# KiCad board FlexKeys.kicad_pcb
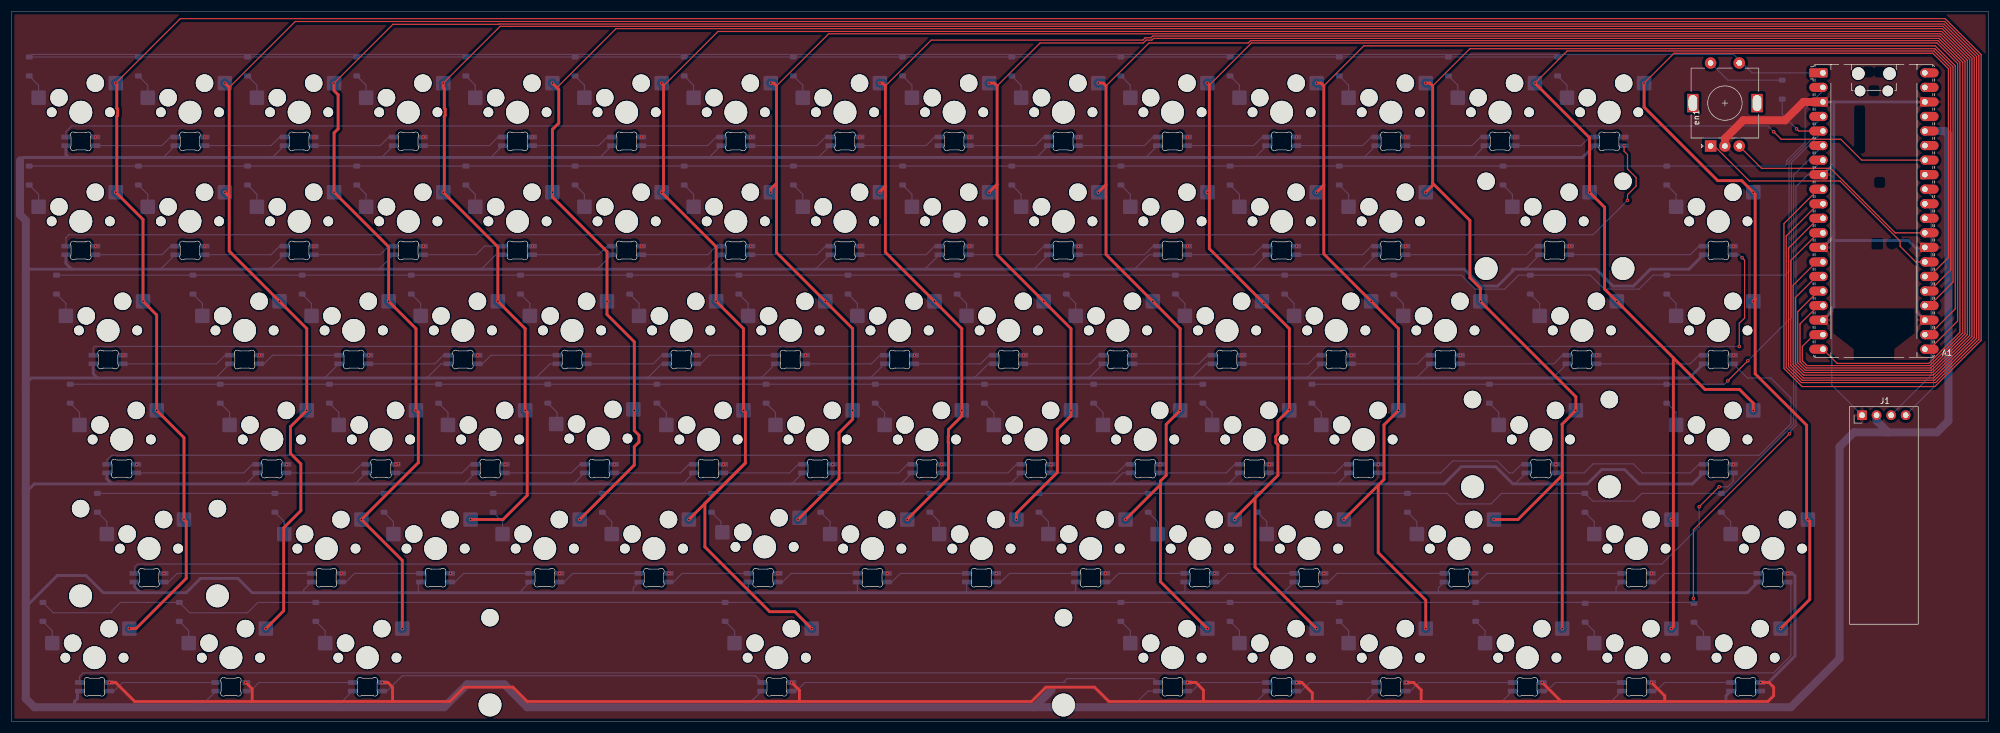
[diagram p0: board, top side]
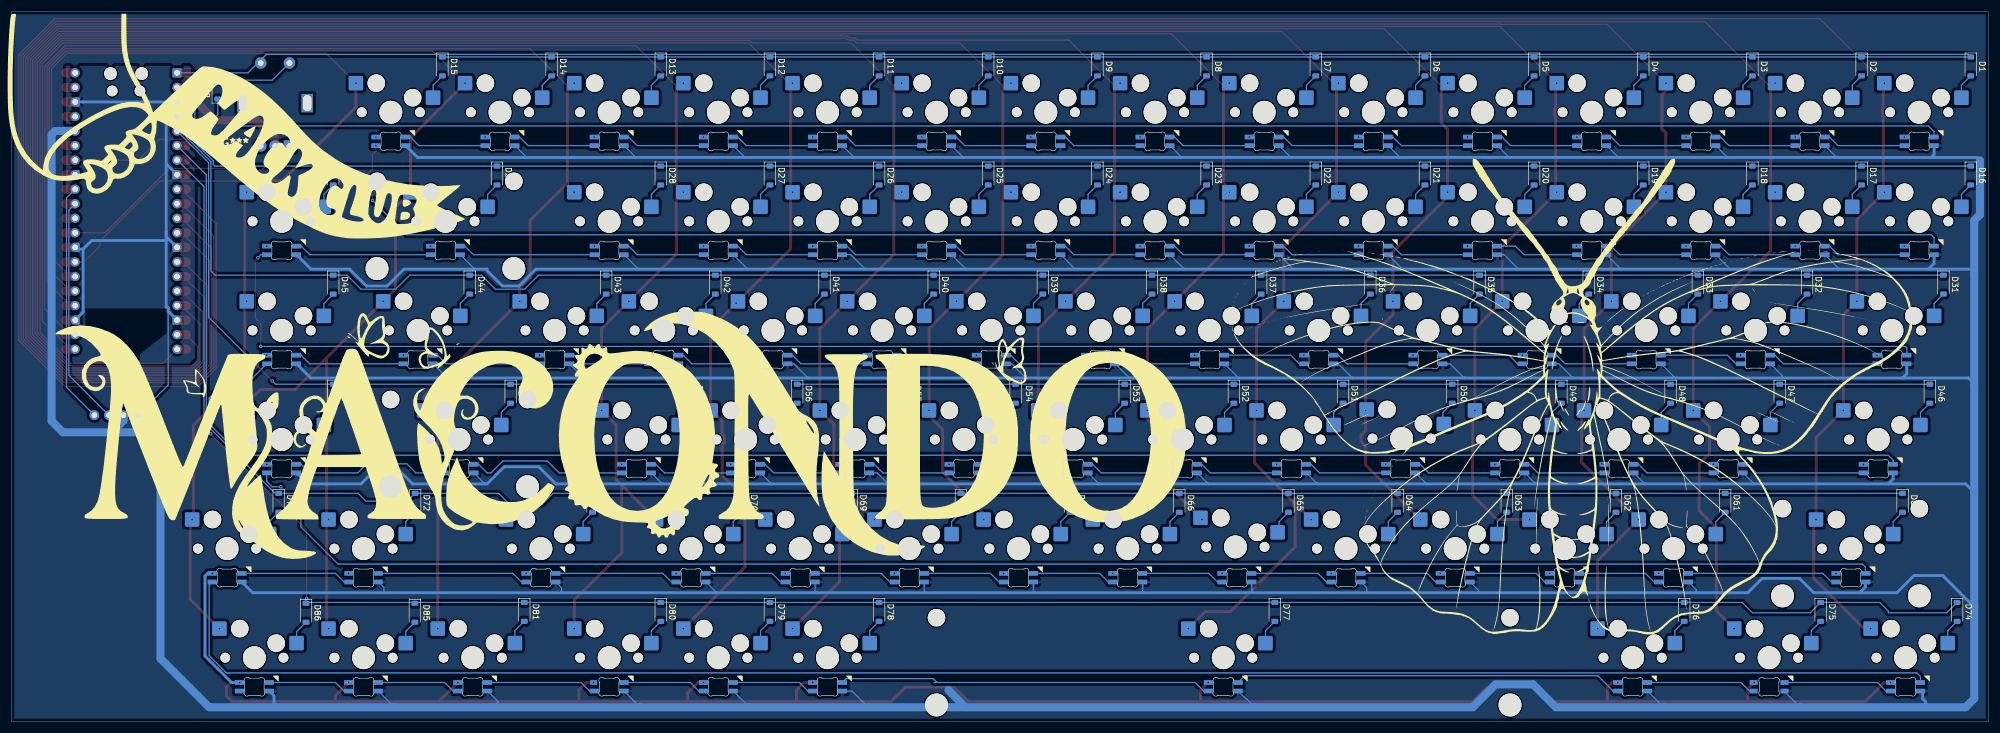
[diagram p1: board, bottom side, seen from below]

Outline 345 x 124 mm; copper layers: Top, Bottom. Coordinates in mm from the lower left corner of the outline.
Outline path: rectangle 0,124 345,0

## Placement (name value [footprint] x y rotation side)
A1  RaspberryPi_Pico  [RaspberryPi_Pico_Common_Unspecified]  325 89.15 0 top
D1  1N4148  [D_SOD-123]  3.1 114.4 270 bottom
D2  1N4148  [D_SOD-123]  22.15 114.4 270 bottom
D3  1N4148  [D_SOD-123]  41.2 114.4 270 bottom
D4  1N4148  [D_SOD-123]  60.25 114.4 270 bottom
D5  1N4148  [D_SOD-123]  79.3 114.4 270 bottom
D6  1N4148  [D_SOD-123]  98.35 114.4 270 bottom
D7  1N4148  [D_SOD-123]  117.4 114.4 270 bottom
D8  1N4148  [D_SOD-123]  136.45 114.4 270 bottom
D9  1N4148  [D_SOD-123]  155.5 114.4 270 bottom
D10  1N4148  [D_SOD-123]  174.55 114.4 270 bottom
D11  1N4148  [D_SOD-123]  193.6 114.4 270 bottom
D12  1N4148  [D_SOD-123]  212.65 114.4 270 bottom
D13  1N4148  [D_SOD-123]  231.7 114.4 270 bottom
D14  1N4148  [D_SOD-123]  250.75 114.4 270 bottom
D15  1N4148  [D_SOD-123]  269.8 114.4 270 bottom
D16  1N4148  [D_SOD-123]  3.1 95.35 270 bottom
D17  1N4148  [D_SOD-123]  22.15 95.35 270 bottom
D18  1N4148  [D_SOD-123]  41.2 95.35 270 bottom
D19  1N4148  [D_SOD-123]  60.25 95.35 270 bottom
D20  1N4148  [D_SOD-123]  79.3 95.35 270 bottom
D21  1N4148  [D_SOD-123]  98.35 95.35 270 bottom
D22  1N4148  [D_SOD-123]  117.4 95.35 270 bottom
D23  1N4148  [D_SOD-123]  136.45 95.35 270 bottom
D24  1N4148  [D_SOD-123]  155.5 95.35 270 bottom
D25  1N4148  [D_SOD-123]  174.55 95.35 270 bottom
D26  1N4148  [D_SOD-123]  193.6 95.35 270 bottom
D27  1N4148  [D_SOD-123]  212.65 95.35 270 bottom
D28  1N4148  [D_SOD-123]  231.7 95.35 270 bottom
D29  1N4148  [D_SOD-123]  260.28 95.35 270 bottom
D30  1N4148  [D_SOD-123]  288.85 95.35 270 bottom
D31  1N4148  [D_SOD-123]  7.86 76.3 270 bottom
D32  1N4148  [D_SOD-123]  31.68 76.3 270 bottom
D33  1N4148  [D_SOD-123]  50.73 76.3 270 bottom
D34  1N4148  [D_SOD-123]  69.78 76.3 270 bottom
D35  1N4148  [D_SOD-123]  88.83 76.3 270 bottom
D36  1N4148  [D_SOD-123]  107.88 76.3 270 bottom
D37  1N4148  [D_SOD-123]  126.93 76.3 270 bottom
D38  1N4148  [D_SOD-123]  145.98 76.3 270 bottom
D39  1N4148  [D_SOD-123]  165.03 76.3 270 bottom
D40  1N4148  [D_SOD-123]  184.08 76.3 270 bottom
D41  1N4148  [D_SOD-123]  203.13 76.3 270 bottom
D42  1N4148  [D_SOD-123]  222.18 76.3 270 bottom
D43  1N4148  [D_SOD-123]  241.23 76.3 270 bottom
D44  1N4148  [D_SOD-123]  265.04 76.3 270 bottom
D45  1N4148  [D_SOD-123]  288.85 76.3 270 bottom
D46  1N4148  [D_SOD-123]  10.24 57.25 270 bottom
D47  1N4148  [D_SOD-123]  36.44 57.25 270 bottom
D48  1N4148  [D_SOD-123]  55.49 57.25 270 bottom
D49  1N4148  [D_SOD-123]  74.54 57.25 270 bottom
D50  1N4148  [D_SOD-123]  93.59 57.25 270 bottom
D51  1N4148  [D_SOD-123]  112.64 57.25 270 bottom
D52  1N4148  [D_SOD-123]  131.69 57.25 270 bottom
D53  1N4148  [D_SOD-123]  150.74 57.25 270 bottom
D54  1N4148  [D_SOD-123]  169.79 57.25 270 bottom
D55  1N4148  [D_SOD-123]  188.84 57.25 270 bottom
D56  1N4148  [D_SOD-123]  207.89 57.25 270 bottom
D57  1N4148  [D_SOD-123]  226.94 57.25 270 bottom
D58  1N4148  [D_SOD-123]  257.89 57.25 270 bottom
D59  1N4148  [D_SOD-123]  288.85 57.25 270 bottom
D60  1N4148  [D_SOD-123]  15.01 38.2 270 bottom
D61  1N4148  [D_SOD-123]  45.96 38.2 270 bottom
D62  1N4148  [D_SOD-123]  65.01 38.2 270 bottom
D63  1N4148  [D_SOD-123]  84.06 38.2 270 bottom
D64  1N4148  [D_SOD-123]  103.11 38.2 270 bottom
D65  1N4148  [D_SOD-123]  122.16 38.2 270 bottom
D66  1N4148  [D_SOD-123]  141.21 38.2 270 bottom
D67  1N4148  [D_SOD-123]  160.26 38.2 270 bottom
D68  1N4148  [D_SOD-123]  179.31 38.2 270 bottom
D69  1N4148  [D_SOD-123]  198.36 38.2 270 bottom
D70  1N4148  [D_SOD-123]  217.41 38.2 270 bottom
D71  1N4148  [D_SOD-123]  243.61 38.2 270 bottom
D72  1N4148  [D_SOD-123]  274.56 38.2 270 bottom
D73  1N4148  [D_SOD-123]  298.38 38.2 270 bottom
D74  1N4148  [D_SOD-123]  5.48 19.15 270 bottom
D75  1N4148  [D_SOD-123]  29.29 19.15 270 bottom
D76  1N4148  [D_SOD-123]  53.11 19.15 270 bottom
D77  1N4148  [D_SOD-123]  124.54 19.15 270 bottom
D78  1N4148  [D_SOD-123]  193.6 19.15 270 bottom
D79  1N4148  [D_SOD-123]  212.65 19.15 270 bottom
D80  1N4148  [D_SOD-123]  231.7 19.15 270 bottom
D81  1N4148  [D_SOD-123]  255.51 19.15 270 bottom
D82  1N4148  [D_SOD-123]  309 110.35 90 bottom
D85  1N4148  [D_SOD-123]  274.6 19 270 bottom
D86  1N4148  [D_SOD-123]  293.6 19 270 bottom
DL1  SK6812  [MX_SK6812MINI-E_REV]  12.1 106.4 0 top
DL2  SK6812  [MX_SK6812MINI-E_REV]  31.15 106.4 0 top
DL3  SK6812  [MX_SK6812MINI-E_REV]  50.2 106.4 0 top
DL4  SK6812  [MX_SK6812MINI-E_REV]  69.25 106.4 0 top
DL5  SK6812  [MX_SK6812MINI-E_REV]  88.3 106.4 0 top
DL6  SK6812  [MX_SK6812MINI-E_REV]  107.35 106.4 0 top
DL7  SK6812  [MX_SK6812MINI-E_REV]  126.4 106.4 0 top
DL8  SK6812  [MX_SK6812MINI-E_REV]  145.45 106.4 0 top
DL9  SK6812  [MX_SK6812MINI-E_REV]  164.5 106.4 0 top
DL10  SK6812  [MX_SK6812MINI-E_REV]  183.55 106.4 0 top
DL11  SK6812  [MX_SK6812MINI-E_REV]  202.6 106.4 0 top
DL12  SK6812  [MX_SK6812MINI-E_REV]  221.65 106.4 0 top
DL13  SK6812  [MX_SK6812MINI-E_REV]  240.7 106.4 0 top
DL14  SK6812  [MX_SK6812MINI-E_REV]  259.75 106.4 0 top
DL15  SK6812  [MX_SK6812MINI-E_REV]  278.8 106.4 0 top
DL16  SK6812  [MX_SK6812MINI-E_REV]  12.1 87.35 0 top
DL17  SK6812  [MX_SK6812MINI-E_REV]  31.15 87.35 0 top
DL18  SK6812  [MX_SK6812MINI-E_REV]  50.2 87.35 0 top
DL19  SK6812  [MX_SK6812MINI-E_REV]  69.25 87.35 0 top
DL20  SK6812  [MX_SK6812MINI-E_REV]  88.3 87.35 0 top
DL21  SK6812  [MX_SK6812MINI-E_REV]  107.35 87.35 0 top
DL22  SK6812  [MX_SK6812MINI-E_REV]  126.4 87.35 0 top
DL23  SK6812  [MX_SK6812MINI-E_REV]  145.45 87.35 0 top
DL24  SK6812  [MX_SK6812MINI-E_REV]  164.5 87.35 0 top
DL25  SK6812  [MX_SK6812MINI-E_REV]  183.55 87.35 0 top
DL26  SK6812  [MX_SK6812MINI-E_REV]  202.6 87.35 0 top
DL27  SK6812  [MX_SK6812MINI-E_REV]  221.65 87.35 0 top
DL28  SK6812  [MX_SK6812MINI-E_REV]  240.7 87.35 0 top
DL29  SK6812  [MX_SK6812MINI-E_REV]  269.27 87.35 0 top
DL30  SK6812  [MX_SK6812MINI-E_REV]  297.85 87.35 0 top
DL31  SK6812  [MX_SK6812MINI-E_REV]  16.86 68.3 0 top
DL32  SK6812  [MX_SK6812MINI-E_REV]  40.67 68.3 0 top
DL33  SK6812  [MX_SK6812MINI-E_REV]  59.72 68.3 0 top
DL34  SK6812  [MX_SK6812MINI-E_REV]  78.78 68.3 0 top
DL35  SK6812  [MX_SK6812MINI-E_REV]  97.82 68.3 0 top
DL36  SK6812  [MX_SK6812MINI-E_REV]  116.88 68.3 0 top
DL37  SK6812  [MX_SK6812MINI-E_REV]  135.93 68.3 0 top
DL38  SK6812  [MX_SK6812MINI-E_REV]  154.97 68.3 0 top
DL39  SK6812  [MX_SK6812MINI-E_REV]  174.03 68.3 0 top
DL40  SK6812  [MX_SK6812MINI-E_REV]  193.07 68.3 0 top
DL41  SK6812  [MX_SK6812MINI-E_REV]  212.12 68.3 0 top
DL42  SK6812  [MX_SK6812MINI-E_REV]  231.18 68.3 0 top
DL43  SK6812  [MX_SK6812MINI-E_REV]  250.23 68.3 0 top
DL44  SK6812  [MX_SK6812MINI-E_REV]  274.04 68.3 0 top
DL45  SK6812  [MX_SK6812MINI-E_REV]  297.85 68.3 0 top
DL46  SK6812  [MX_SK6812MINI-E_REV]  19.24 49.25 0 top
DL47  SK6812  [MX_SK6812MINI-E_REV]  45.44 49.25 0 top
DL48  SK6812  [MX_SK6812MINI-E_REV]  64.49 49.25 0 top
DL49  SK6812  [MX_SK6812MINI-E_REV]  83.54 49.25 0 top
DL50  SK6812  [MX_SK6812MINI-E_REV]  102.59 49.25 0 top
DL51  SK6812  [MX_SK6812MINI-E_REV]  121.64 49.25 0 top
DL52  SK6812  [MX_SK6812MINI-E_REV]  140.69 49.25 0 top
DL53  SK6812  [MX_SK6812MINI-E_REV]  159.74 49.25 0 top
DL54  SK6812  [MX_SK6812MINI-E_REV]  178.79 49.25 0 top
DL55  SK6812  [MX_SK6812MINI-E_REV]  197.84 49.25 0 top
DL56  SK6812  [MX_SK6812MINI-E_REV]  216.89 49.25 0 top
DL57  SK6812  [MX_SK6812MINI-E_REV]  235.94 49.25 0 top
DL58  SK6812  [MX_SK6812MINI-E_REV]  266.89 49.25 0 top
DL59  SK6812  [MX_SK6812MINI-E_REV]  297.85 49.25 0 top
DL60  SK6812  [MX_SK6812MINI-E_REV]  24.01 30.2 0 top
DL61  SK6812  [MX_SK6812MINI-E_REV]  54.96 30.2 0 top
DL62  SK6812  [MX_SK6812MINI-E_REV]  74.01 30.2 0 top
DL63  SK6812  [MX_SK6812MINI-E_REV]  93.06 30.2 0 top
DL64  SK6812  [MX_SK6812MINI-E_REV]  112.11 30.2 0 top
DL65  SK6812  [MX_SK6812MINI-E_REV]  131.16 30.2 0 top
DL66  SK6812  [MX_SK6812MINI-E_REV]  150.21 30.2 0 top
DL67  SK6812  [MX_SK6812MINI-E_REV]  169.26 30.2 0 top
DL68  SK6812  [MX_SK6812MINI-E_REV]  188.31 30.2 0 top
DL69  SK6812  [MX_SK6812MINI-E_REV]  207.36 30.2 0 top
DL70  SK6812  [MX_SK6812MINI-E_REV]  226.41 30.2 0 top
DL71  SK6812  [MX_SK6812MINI-E_REV]  252.61 30.2 0 top
DL72  SK6812  [MX_SK6812MINI-E_REV#4]  283.56 30.2 0 top
DL73  SK6812  [MX_SK6812MINI-E_REV]  307.38 30.2 0 top
DL74  SK6812  [MX_SK6812MINI-E_REV]  14.48 11.15 0 top
DL75  SK6812  [MX_SK6812MINI-E_REV#2]  38.29 11.15 0 top
DL76  SK6812  [MX_SK6812MINI-E_REV]  62.11 11.15 0 top
DL77  SK6812  [MX_SK6812MINI-E_REV]  133.54 11.15 0 top
DL78  SK6812  [MX_SK6812MINI-E_REV]  202.6 11.15 0 top
DL79  SK6812  [MX_SK6812MINI-E_REV]  221.65 11.15 0 top
DL80  SK6812  [MX_SK6812MINI-E_REV#3]  240.7 11.15 0 top
DL81  SK6812  [MX_SK6812MINI-E_REV]  264.51 11.15 0 top
DL82  SK6812  [MX_SK6812MINI-E_REV]  283.56 11.15 0 top
DL83  SK6812  [MX_SK6812MINI-E_REV]  302.61 11.15 0 top
en1  RotaryEncoder  [RotaryEncoder_Alps_EC11E-Switch_Vertical_H20mm]  296.5 100.5 90 top
G***  -  [LOGO]  237.62 50.92 180 bottom
G***#2  -  [LOGO]  306 101 180 bottom
G***#3  -  [LOGO]  72.67 56.5 180 bottom
J1  oled Disply  [OLED_0.91_128x32]  322.92 53.5 0 top
SW1  SW_Push_45deg  [MX100H]  12.1 106.4 180 bottom
SW2  SW_Push_45deg  [MX100H]  31.15 106.4 180 bottom
SW3  SW_Push_45deg  [MX100H]  50.2 106.4 180 bottom
SW4  SW_Push_45deg  [MX100H]  69.25 106.4 180 bottom
SW5  SW_Push_45deg  [MX100H]  88.3 106.4 180 bottom
SW6  SW_Push_45deg  [MX100H]  107.35 106.4 180 bottom
SW7  SW_Push_45deg  [MX100H]  126.4 106.4 180 bottom
SW8  SW_Push_45deg  [MX100H]  145.45 106.4 180 bottom
SW9  SW_Push_45deg  [MX100H]  164.5 106.4 180 bottom
SW10  SW_Push_45deg  [MX100H]  183.55 106.4 180 bottom
SW11  SW_Push_45deg  [MX100H]  202.6 106.4 180 bottom
SW12  SW_Push_45deg  [MX100H]  221.65 106.4 180 bottom
SW13  SW_Push_45deg  [MX100H]  240.7 106.4 180 bottom
SW14  SW_Push_45deg  [MX100H]  259.75 106.4 180 bottom
SW15  SW_Push_45deg  [MX100H]  278.8 106.4 180 bottom
SW16  SW_Push_45deg  [MX100H]  12.1 87.35 180 bottom
SW17  SW_Push_45deg  [MX100H]  31.15 87.35 180 bottom
SW18  SW_Push_45deg  [MX100H]  50.2 87.35 180 bottom
SW19  SW_Push_45deg  [MX100H]  69.25 87.35 180 bottom
SW20  SW_Push_45deg  [MX100H]  88.3 87.35 180 bottom
SW21  SW_Push_45deg  [MX100H]  107.35 87.35 180 bottom
SW22  SW_Push_45deg  [MX100H]  126.4 87.35 180 bottom
SW23  SW_Push_45deg  [MX100H]  145.45 87.35 180 bottom
SW24  SW_Push_45deg  [MX100H]  164.5 87.35 180 bottom
SW25  SW_Push_45deg  [MX100H]  183.55 87.35 180 bottom
SW26  SW_Push_45deg  [MX100H]  202.6 87.35 180 bottom
SW27  SW_Push_45deg  [MX100H]  221.65 87.35 180 bottom
SW28  SW_Push_45deg  [MX100H]  240.7 87.35 180 bottom
SW29  SW_Push_45deg  [MX200H]  269.27 87.35 180 bottom
SW30  SW_Push_45deg  [MX100H]  297.85 87.35 180 bottom
SW31  SW_Push_45deg  [MX150H]  16.86 68.3 180 bottom
SW32  SW_Push_45deg  [MX100H]  40.67 68.3 180 bottom
SW33  SW_Push_45deg  [MX100H]  59.72 68.3 180 bottom
SW34  SW_Push_45deg  [MX100H]  78.78 68.3 180 bottom
SW35  SW_Push_45deg  [MX100H]  97.82 68.3 180 bottom
SW36  SW_Push_45deg  [MX100H]  116.88 68.3 180 bottom
SW37  SW_Push_45deg  [MX100H]  135.93 68.3 180 bottom
SW38  SW_Push_45deg  [MX100H]  154.97 68.3 180 bottom
SW39  SW_Push_45deg  [MX100H]  174.03 68.3 180 bottom
SW40  SW_Push_45deg  [MX100H]  193.07 68.3 180 bottom
SW41  SW_Push_45deg  [MX100H]  212.12 68.3 180 bottom
SW42  SW_Push_45deg  [MX100H]  231.18 68.3 180 bottom
SW43  SW_Push_45deg  [MX100H]  250.23 68.3 180 bottom
SW44  SW_Push_45deg  [MX150H]  274.04 68.3 180 bottom
SW45  SW_Push_45deg  [MX100H]  297.85 68.3 180 bottom
SW46  SW_Push_45deg  [MX175H]  19.24 49.25 180 bottom
SW47  SW_Push_45deg  [MX100H]  45.44 49.25 180 bottom
SW48  SW_Push_45deg  [MX100H]  64.49 49.25 180 bottom
SW49  SW_Push_45deg  [MX100H]  83.54 49.25 180 bottom
SW50  SW_Push_45deg  [MX100H]  102.42 49.42 180 bottom
SW51  SW_Push_45deg  [MX100H]  121.64 49.25 180 bottom
SW52  SW_Push_45deg  [MX100H]  140.69 49.25 180 bottom
SW53  SW_Push_45deg  [MX100H]  159.74 49.25 180 bottom
SW54  SW_Push_45deg  [MX100H]  178.79 49.25 180 bottom
SW55  SW_Push_45deg  [MX100H]  197.84 49.25 180 bottom
SW56  SW_Push_45deg  [MX100H]  216.89 49.25 180 bottom
SW57  SW_Push_45deg  [MX100H]  235.94 49.25 180 bottom
SW58  SW_Push_45deg  [MX200H]  266.89 49.25 180 bottom
SW59  SW_Push_45deg  [MX100H]  297.85 49.25 180 bottom
SW60  SW_Push_45deg  [MX225H]  24.01 30.2 180 bottom
SW61  SW_Push_45deg  [MX100H]  54.96 30.2 180 bottom
SW62  SW_Push_45deg  [MX100H]  74.01 30.2 180 bottom
SW63  SW_Push_45deg  [MX100H]  93.06 30.2 180 bottom
SW64  SW_Push_45deg  [MX100H]  112.11 30.2 180 bottom
SW65  SW_Push_45deg  [MX100H]  131.42 30.5 180 bottom
SW66  SW_Push_45deg  [MX100H]  150.21 30.2 180 bottom
SW67  SW_Push_45deg  [MX100H]  169.26 30.2 180 bottom
SW68  SW_Push_45deg  [MX100H]  188.31 30.2 180 bottom
SW69  SW_Push_45deg  [MX100H]  207.36 30.2 180 bottom
SW70  SW_Push_45deg  [MX100H]  226.41 30.2 180 bottom
SW71  SW_Push_45deg  [MX175H]  252.61 30.2 180 bottom
SW72  SW_Push_45deg  [MX100H]  283.56 30.2 180 bottom
SW73  SW_Push_45deg  [MX100H]  307.38 30.2 180 bottom
SW74  SW_Push_45deg  [MX125H]  14.48 11.15 180 bottom
SW75  SW_Push_45deg  [MX125H]  38.29 11.15 180 bottom
SW76  SW_Push_45deg  [MX125H]  62.11 11.15 180 bottom
SW77  SW_Push_45deg  [MX625H]  133.54 11.15 180 bottom
SW78  SW_Push_45deg  [MX100H]  202.6 11.15 180 bottom
SW79  SW_Push_45deg  [MX100H]  221.65 11.15 180 bottom
SW80  SW_Push_45deg  [MX100H]  240.7 11.15 180 bottom
SW81  SW_Push_45deg  [MX100H]  264.51 11.15 180 bottom
SW82  SW_Push_45deg  [MX100H]  283.56 11.15 180 bottom
SW83  SW_Push_45deg  [MX100H]  302.61 11.15 180 bottom

## Library data of the parts
A1 = -: Datasheet: https://datasheets.raspberrypi.com/pico/pico-datasheet.pdf; Description: Versatile and inexpensive microcontroller module powered by RP2040 dual-core Arm Cortex-M0+ processor up to 133 MHz, 264kB SRAM, 2MB QSPI flash; also supports Raspberry Pi Pico 2; ki_fp_filters: RaspberryPi?Pico?Common* RaspberryPi?Pico?SMD*
D1-D82 D85 D86 = -: Datasheet: https://assets.nexperia.com/documents/data-sheet/1N4148_1N4448.pdf; Description: 100V 0.15A standard switching diode, DO-35; Sim.Device: D; Sim.Pins: 1=K 2=A; ki_fp_filters: D*DO?35*
DL1-DL83 = -: Datasheet: https://cdn-shop.adafruit.com/product-files/2686/SK6812MINI_REV.01-1-2.pdf; Description: RGB LED with integrated controller; ki_fp_filters: LED*SK6812MINI*PLCC*3.5x3.5mm*P1.75mm*
en1 = -: ki_fp_filters: RotaryEncoder*Switch*
J1 = -: Description: Generic connector, single row, 01x04, script generated; ki_fp_filters: Connector*:*_1x??_*
SW1-SW28 SW30 SW32-SW43 SW45 SW47-SW57 SW59 SW61-SW70 SW72 SW73 SW78-SW83 = -: Description: Push button switch, normally open, two pins, 45° tilted

## Footprints (pads in the part's own frame, mm; a bottom-side part is the same pattern mirrored in y, then rotated)
D_SOD-123
  rrect 0.9x1.2 smd: 1(-1.65,0) 2(1.65,0)
MX100H
  round 1.702 hole 1.702 unplated: (-5.08,0) (5.08,0)
  round 3.048 hole 3.048 unplated: (-2.54,5.08) (3.81,2.54)
  round 3.988 hole 3.988 unplated: (0,0)
  rrect 2.54x2.54 smd: 1(-6.096,5.08) 2(7.366,2.54)
MX125H
  round 1.702 hole 1.702 unplated: (-5.08,0) (5.08,0)
  round 3.048 hole 3.048 unplated: (-2.54,5.08) (3.81,2.54)
  round 3.988 hole 3.988 unplated: (0,0)
  rrect 2.54x2.54 smd: 1(-6.096,5.08) 2(7.366,2.54)
MX150H
  round 1.702 hole 1.702 unplated: (-5.08,0) (5.08,0)
  round 3.048 hole 3.048 unplated: (-2.54,5.08) (3.81,2.54)
  round 3.988 hole 3.988 unplated: (0,0)
  rrect 2.54x2.54 smd: 1(-6.096,5.08) 2(7.366,2.54)
MX175H
  round 1.702 hole 1.702 unplated: (-5.08,0) (5.08,0)
  round 3.048 hole 3.048 unplated: (-2.54,5.08) (3.81,2.54)
  round 3.988 hole 3.988 unplated: (0,0)
  rrect 2.54x2.54 smd: 1(-6.096,5.08) 2(7.366,2.54)
MX200H
  round 3.988 hole 3.988 unplated: (-11.938,-8.255) (0,0) (11.938,-8.255)
  round 3.048 hole 3.048 unplated: (-11.938,6.985) (-2.54,5.08) (3.81,2.54) (11.938,6.985)
  round 1.702 hole 1.702 unplated: (-5.08,0) (5.08,0)
  rrect 2.54x2.54 smd: 1(-6.096,5.08) 2(7.366,2.54)
MX225H
  round 3.988 hole 3.988 unplated: (-11.938,-8.255) (0,0) (11.938,-8.255)
  round 3.048 hole 3.048 unplated: (-11.938,6.985) (-2.54,5.08) (3.81,2.54) (11.938,6.985)
  round 1.702 hole 1.702 unplated: (-5.08,0) (5.08,0)
  rrect 2.54x2.54 smd: 1(-6.096,5.08) 2(7.366,2.54)
MX625H
  round 3.988 hole 3.988 unplated: (-50.038,-8.255) (0,0) (50.038,-8.255)
  round 3.048 hole 3.048 unplated: (-50.038,6.985) (-2.54,5.08) (3.81,2.54) (50.038,6.985)
  round 1.702 hole 1.702 unplated: (-5.08,0) (5.08,0)
  rrect 2.54x2.54 smd: 1(-6.096,5.08) 2(7.366,2.54)
MX_SK6812MINI-E_REV
  rrect 1.6x0.82 smd far side: 1(2.6,-5.83) 2(2.6,-4.33) 3(-2.6,-4.33) 4(-2.6,-5.83)
MX_SK6812MINI-E_REV#4
  rrect 1.5x0.82 smd far side: 1(2.6,-5.83) 2(2.6,-4.33) 3(-2.6,-4.33) 4(-2.6,-5.83)
MX_SK6812MINI-E_REV#2
  rrect 1.4x0.82 smd far side: 1(2.7,-5.83) 2(2.7,-4.33) 3(-2.7,-4.33) 4(-2.7,-5.83)
MX_SK6812MINI-E_REV#3
  rrect 1.6x0.82 smd far side: 1(2.6,-5.83) 3(-2.6,-4.33) 4(-2.6,-5.83)
  rrect 1.2x0.82 smd far side: 2(2.7,-4.33)
OLED_0.91_128x32
  rrect 1.7x1.7 hole 1: 1(0,0)
  round 1.7 hole 1: 2(2.54,0) 3(5.08,0) 4(7.62,0)
RaspberryPi_Pico_Common_Unspecified
  round 2.2 hole 2.2 unplated: (-2.725,24) (2.725,24)
  round 1.85 hole 1.85 unplated: (-2.425,20.97) (2.425,20.97)
  custom 3.2x1.6 smd: 1(-9.69,24.13) 3(-9.69,19.05) 8(-9.69,6.35) 13(-9.69,-6.35) 18(-9.69,-19.05) 23(9.69,-19.05) 28(9.69,-6.35) 33(9.69,6.35) 38(9.69,19.05)
  rrect 1.6x1.6 hole 1: 1(-8.89,24.13)
  rrect 3.2x1.6 smd: 2(-9.69,21.59) 4(-9.69,16.51) 5(-9.69,13.97) 6(-9.69,11.43) 7(-9.69,8.89) 9(-9.69,3.81) 10(-9.69,1.27) 11(-9.69,-1.27) 12(-9.69,-3.81) 14(-9.69,-8.89) 15(-9.69,-11.43) 16(-9.69,-13.97) 17(-9.69,-16.51) 19(-9.69,-21.59) 20(-9.69,-24.13) 21(9.69,-24.13) 22(9.69,-21.59) 24(9.69,-16.51) 25(9.69,-13.97) 26(9.69,-11.43) 27(9.69,-8.89) 29(9.69,-3.81) 30(9.69,-1.27) 31(9.69,1.27) 32(9.69,3.81) 34(9.69,8.89) 35(9.69,11.43) 36(9.69,13.97) 37(9.69,16.51) 39(9.69,21.59) 40(9.69,24.13)
  round 1.6 hole 1: 2(-8.89,21.59) 4(-8.89,16.51) 5(-8.89,13.97) 6(-8.89,11.43) 7(-8.89,8.89) 9(-8.89,3.81) 10(-8.89,1.27) 11(-8.89,-1.27) 12(-8.89,-3.81) 14(-8.89,-8.89) 15(-8.89,-11.43) 16(-8.89,-13.97) 17(-8.89,-16.51) 19(-8.89,-21.59) 20(-8.89,-24.13) 21(8.89,-24.13) 22(8.89,-21.59) 24(8.89,-16.51) 25(8.89,-13.97) 26(8.89,-11.43) 27(8.89,-8.89) 29(8.89,-3.81) 30(8.89,-1.27) 31(8.89,1.27) 32(8.89,3.81) 34(8.89,8.89) 35(8.89,11.43) 36(8.89,13.97) 37(8.89,16.51) 39(8.89,21.59) 40(8.89,24.13)
  custom 1.6x1.6 hole 1: 3(-8.89,19.05) 8(-8.89,6.35) 13(-8.89,-6.35) 18(-8.89,-19.05) 23(8.89,-19.05) 28(8.89,-6.35) 33(8.89,6.35) 38(8.89,19.05)
RotaryEncoder_Alps_EC11E-Switch_Vertical_H20mm
  rect 2x2 hole 1: A(0,0)
  round 2 hole 1: B(0,-5) C(0,-2.5) S1(14.5,-5) S2(14.5,0)
  rect 3.2x2 hole 2.8x1.5: MP(7.5,3.1) MP(7.5,-8.1)

## Nets
+3V3: A1.36 DL1.4 DL2.4 DL3.4 DL4.4 DL5.4 DL6.4 DL7.4 DL8.4 DL9.4 DL10.4 DL11.4 DL12.4 DL13.4 DL14.4 DL15.4 DL16.4 DL17.4 DL18.4 DL19.4 DL20.4 DL21.4 DL22.4 DL23.4 DL24.4 DL25.4 DL26.4 DL27.4 DL28.4 DL29.4 DL30.4 DL31.4 DL32.4 DL33.4 DL34.4 DL35.4 DL36.4 DL37.4 DL38.4 DL39.4 DL40.4 DL41.4 DL42.4 DL43.4 DL44.4 DL45.4 DL46.4 DL47.4 DL48.4 DL49.4 DL50.4 DL51.4 DL52.4 DL53.4 DL54.4 DL55.4 DL56.4 DL57.4 DL58.4 DL59.4 DL60.4 DL61.4 DL62.4 DL63.4 DL64.4 DL65.4 DL66.4 DL67.4 DL68.4 DL69.4 DL70.4 DL71.4 DL72.4 DL73.4 DL74.4 DL75.4 DL76.4 DL77.4 DL78.4 DL79.4 DL80.4 DL81.4 DL82.4 DL83.4 J1.2
GND: A1.3 A1.8 A1.13 A1.18 A1.23 A1.28 A1.38 DL1.2 DL2.2 DL3.2 DL4.2 DL5.2 DL6.2 DL7.2 DL8.2 DL9.2 DL10.2 DL11.2 DL12.2 DL13.2 DL14.2 DL15.2 DL16.2 DL17.2 DL18.2 DL19.2 DL20.2 DL21.2 DL22.2 DL23.2 DL24.2 DL25.2 DL26.2 DL27.2 DL28.2 DL29.2 DL30.2 DL31.2 DL32.2 DL33.2 DL34.2 DL35.2 DL36.2 DL37.2 DL38.2 DL39.2 DL40.2 DL41.2 DL42.2 DL43.2 DL44.2 DL45.2 DL46.2 DL47.2 DL48.2 DL49.2 DL50.2 DL51.2 DL52.2 DL53.2 DL54.2 DL55.2 DL56.2 DL57.2 DL58.2 DL59.2 DL60.2 DL61.2 DL62.2 DL63.2 DL64.2 DL65.2 DL66.2 DL67.2 DL68.2 DL69.2 DL70.2 DL71.2 DL72.2 DL73.2 DL74.2 DL75.2 DL76.2 DL77.2 DL78.2 DL79.2 DL80.2 DL81.2 DL82.2 DL83.2 en1.C J1.1
COL1: A1.9 SW1.1 SW16.1 SW31.1 SW46.1 SW60.1 SW74.1
COL2: A1.10 SW2.1 SW17.1 SW32.1 SW47.1 SW75.1
COL3: A1.11 SW3.1 SW18.1 SW33.1 SW48.1 SW61.1 SW76.1
COL4: A1.12 SW4.1 SW19.1 SW34.1 SW49.1 SW62.1
COL5: A1.14 SW5.1 SW20.1 SW35.1 SW50.1 SW63.1
COL6: A1.15 SW6.1 SW21.1 SW36.1 SW51.1 SW64.1 SW77.1
COL7: A1.16 SW7.1 SW22.1 SW37.1 SW52.1 SW65.1
COL8: A1.17 SW8.1 SW23.1 SW38.1 SW53.1 SW66.1
COL9: A1.19 SW9.1 SW24.1 SW39.1 SW54.1 SW67.1
COL10: A1.20 SW10.1 SW25.1 SW40.1 SW55.1 SW68.1 SW78.1
COL11: A1.21 SW11.1 SW26.1 SW41.1 SW56.1 SW69.1 SW79.1
COL12: A1.22 SW12.1 SW27.1 SW42.1 SW57.1 SW70.1 SW80.1
COL13: A1.24 SW13.1 SW28.1 SW43.1 SW58.1 SW71.1 SW81.1
COL14: A1.25 SW14.1 SW29.1 SW44.1 SW59.1 SW72.1 SW82.1
COL15: A1.26 SW15.1 SW30.1 SW45.1 SW73.1 SW83.1
en1: D82.2 en1.S2
ENA: A1.27 en1.A
ENB: A1.29 en1.B
LED: A1.34 DL1.3
ROW1: A1.1 D1.1 D2.1 D3.1 D4.1 D5.1 D6.1 D7.1 D8.1 D9.1 D10.1 D11.1 D12.1 D13.1 D14.1 D15.1 en1.S1
ROW2: A1.2 D16.1 D17.1 D18.1 D19.1 D20.1 D21.1 D22.1 D23.1 D24.1 D25.1 D26.1 D27.1 D28.1 D29.1 D30.1
ROW3: A1.4 D31.1 D32.1 D33.1 D34.1 D35.1 D36.1 D37.1 D38.1 D39.1 D40.1 D41.1 D42.1 D43.1 D44.1 D45.1
ROW4: A1.5 D46.1 D47.1 D48.1 D49.1 D50.1 D51.1 D52.1 D53.1 D54.1 D55.1 D56.1 D57.1 D58.1 D59.1 D82.1
ROW5: A1.6 D60.1 D61.1 D62.1 D63.1 D64.1 D65.1 D66.1 D67.1 D68.1 D69.1 D70.1 D71.1 D72.1 D73.1
ROW6: A1.7 D74.1 D75.1 D76.1 D77.1 D78.1 D79.1 D80.1 D81.1 D85.1 D86.1
SCL: A1.31 J1.3
SDA: A1.32 J1.4
Net-(D1-A): D1.2 SW1.2
Net-(D2-A): D2.2 SW2.2
Net-(D3-A): D3.2 SW3.2
Net-(D4-A): D4.2 SW4.2
Net-(D5-A): D5.2 SW5.2
Net-(D6-A): D6.2 SW6.2
Net-(D7-A): D7.2 SW7.2
Net-(D8-A): D8.2 SW8.2
Net-(D9-A): D9.2 SW9.2
Net-(D10-A): D10.2 SW10.2
Net-(D11-A): D11.2 SW11.2
Net-(D12-A): D12.2 SW12.2
Net-(D13-A): D13.2 SW13.2
Net-(D14-A): D14.2 SW14.2
Net-(D15-A): D15.2 SW15.2
Net-(D16-A): D16.2 SW16.2
Net-(D17-A): D17.2 SW17.2
Net-(D18-A): D18.2 SW18.2
Net-(D19-A): D19.2 SW19.2
Net-(D20-A): D20.2 SW20.2
Net-(D21-A): D21.2 SW21.2
Net-(D22-A): D22.2 SW22.2
Net-(D23-A): D23.2 SW23.2
Net-(D24-A): D24.2 SW24.2
Net-(D25-A): D25.2 SW25.2
Net-(D26-A): D26.2 SW26.2
Net-(D27-A): D27.2 SW27.2
Net-(D28-A): D28.2 SW28.2